# KiCad board board.kicad_pcb (continued)
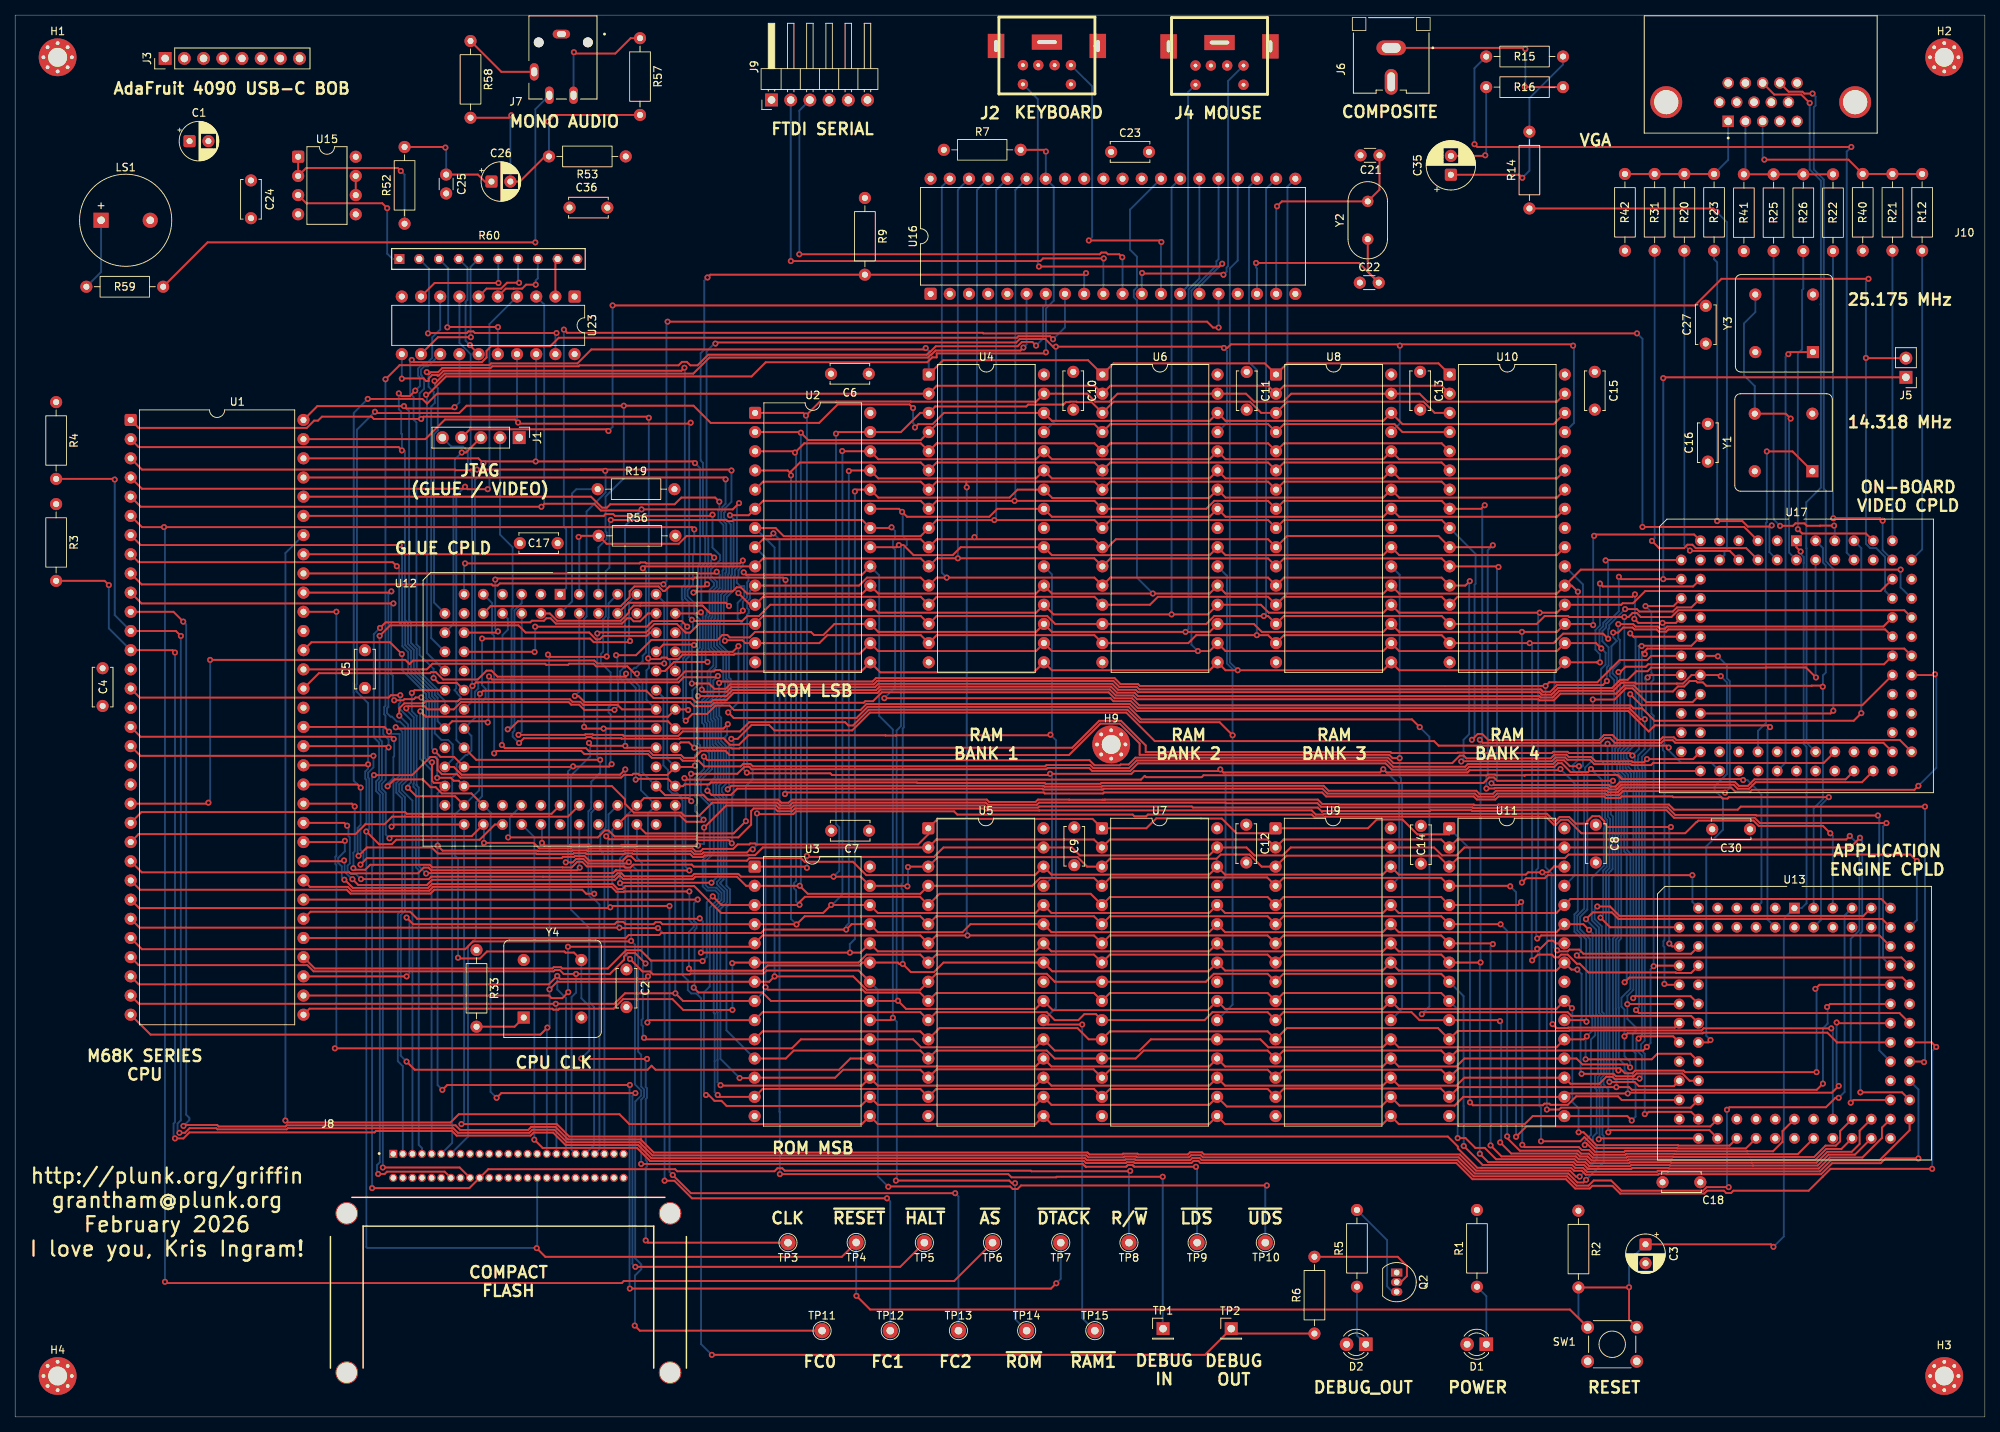
[diagram p0: board, top side]
## Routing (per net, layer and track width the routed paths; a pad name or vN(x,y) marks a point on that pad's centre or on a via; arc(x,y) is an arc through that point) (continued)
A19: length 439.8
  Top w0.25: v1(62.03,75.99) 68.6,75.99 69.33,75.26 73.49,75.26 73.6,75.38 75.8,75.38 75.91,75.26 80.3,75.26 80.39,75.35 81.97,75.35 82.06,75.26 89.63,75.26 90.03,74.87 90.67,74.87 91,75.19 94.99,75.19 95.59,75.79 97.13,75.79 97.25,75.92 97.9,75.92 98.02,75.79 119.48,75.79 120.81,77.12 U5.1 122.06,79.17 142.54,79.17 U7.1 149.66,77.93 150.97,79.24 156.87,79.24 156.89,79.21 159.64,79.21 161.59,77.27 166.1,77.27 U9.1 178.98,77.93 180.14,79.08 183.55,79.08 185.51,77.12 189.72,77.12 189.73,77.12 U11.1 ; v1(49.53,76.6) 49.81,76.88 60.4,76.88 U12.35 ; U1.47 49.24,88.8 v1(49.41,88.63) ; U13.30 212.55,41.96 212.07,42.44 206.53,42.44 205.41,41.31 203.12,41.31 202.97,41.47 202.33,41.47 202.12,41.25 192.86,41.25 v1(192.48,41.64) ; v1(49,137.37) 50.87,139.23 56.36,139.23 56.38,139.25 62.76,139.25 62.98,139.47 74.38,139.47 76.23,141.31 120.28,141.31 v1(120.47,141.5) ; U4.1 122.76,139.89 141.95,139.89 U6.1 145.32,139.47 165.34,139.47 U8.1 168.29,139.47 188.31,139.47 U10.1
  Bottom w0.25: U4.1 120.87,141.1 v1(120.47,141.5) ; v1(49.53,76.6) 49.03,77.09 49.03,82.64 48.5,83.17 48.5,83.81 49.03,84.33 49.03,88.25 v1(49.41,88.63) 49.41,89.69 48.7,90.39 48.7,91.04 49,91.34 49,92.84 48.82,93.01 48.82,93.97 49,94.14 v1(49,137.37) ; U11.1 192.48,75.18 v1(192.48,41.64) ; v1(62.03,75.99) 62.03,78.34
A20: length 282.7
  Top w0.25: U1.48 48.85,91.34 v1(49.47,90.72) ; v1(59.05,38.77) 71.65,38.77 73.3,37.11 189.56,37.11 190.88,35.79 190.88,35.54 193.44,32.98 194,32.98 194,32.98 205.86,32.98 206.25,32.59 207.27,32.59 207.79,32.07 217.36,32.07 217.49,32.2 218.42,32.2 218.49,32.12 238.93,32.12 240.39,33.59 246.81,33.59 247.44,34.22 v1(251.8,34.22) ; U12.33 50.09,78.43 v1(49.8,78.14)
  Bottom w0.25: U12.33 59.4,39.12 v1(59.05,38.77) ; v1(49.47,90.72) 49.77,90.42 50.86,90.42 50.86,84.88 50.05,84.07 50.05,78.39 v1(49.8,78.14) ; U13.58 251.8,43.34 v1(251.8,34.22)
A21: length 240.4
  Top w0.25: v1(210.93,44.34) 210.93,44.34 214.26,44.34 214.81,43.79 219.45,43.79 U13.28 ; v1(82.1,84.37) 82.2,84.47 86.38,84.47 U12.56 88.35,83.5 88.58,83.74 91.82,83.74 92.07,83.99 119.3,83.99 119.37,83.92 136.21,83.92 136.32,83.81 143.61,83.81 143.72,83.92 194.26,83.92 195,84.66 195.64,84.66 196.08,84.21 211.39,84.21 v1(211.39,84.22) ; U1.50 40.19,98.46 54.91,98.46 55.05,98.59 55.65,98.59 56.62,97.63 61.21,97.63 62.38,98.79 63.02,98.79 63.81,98 80.74,98 80.82,98.08 v1(80.82,98.39)
  Bottom w0.25: v1(82.1,84.37) 82.1,96.51 80.82,97.79 v1(80.82,98.39) ; v1(211.39,84.22) 211.1,83.93 211.1,79.77 211.39,79.48 211.39,77.46 211.35,77.42 211.35,72.52 210.85,72.03 210.85,63.31 210.85,63.31 210.93,63.24 v1(210.93,44.34)
A22: length 266.9
  Top w0.25: v1(252.55,46.97) 252.48,47.04 U13.60 ; U1.51 54.47,98.96 55.22,99.71 70.12,99.71 70.27,99.56 73.16,99.56 73.3,99.71 76.52,99.71 76.87,99.36 81,99.36 81.97,98.39 v1(82.27,98.39) ; 84.8,83.5 86,82.31 91.08,82.31 91.66,81.72 100.96,81.72 101.37,81.31 102.33,81.31 102.74,81.72 128.55,81.72 128.86,81.41 135.01,81.41 135.32,81.72 139.45,81.72 139.46,81.7 143.85,81.7 144.16,81.7 144.18,81.72 172.36,81.72 172.94,81.14 175.06,81.14 175.14,81.07 192.98,81.07 193.08,80.97 196.13,80.97 196.23,81.07 218.79,81.07 219.47,80.39 227.9,80.39 228.3,80.79 v1(252.68,80.79)
  Bottom w0.25: v1(252.68,80.79) 252.68,47.09 v1(252.55,46.97) ; v1(82.27,98.39) 82.27,98.02 83,97.29 83,85.31 84.8,83.5
A23: length 261.6
  Top w0.25: U1.52 39.2,102.55 49.59,102.55 v1(51.16,100.99) ; v1(55.84,84.61) 57.64,84.61 58.03,84.22 58.69,84.22 U12.31 78.95,83.5 80.68,81.77 80.68,81.18 81.86,80 88.11,80 88.55,79.56 90.49,79.56 92.24,81.32 100.83,81.32 101.22,80.93 102.48,80.93 102.87,81.32 128.42,81.32 128.71,81.03 135.17,81.03 135.45,81.32 160.13,81.32 160.21,81.24 172.31,81.24 172.78,80.77 174.46,80.77 174.53,80.69 192.83,80.69 192.92,80.59 196.29,80.59 196.39,80.69 218.64,80.69 219.64,79.69 230.29,79.69 230.36,79.62 v1(246.45,79.62)
  Bottom w0.25: v1(55.84,84.61) 55.84,87.28 55.73,87.38 54.59,87.38 54.59,92.55 54.76,92.73 54.76,94.74 54.39,95.12 54.39,95.68 51.22,98.84 51.22,100.92 v1(51.16,100.99) ; v1(246.45,79.62) 246.62,79.44 246.62,48.52 U13.61
AUDIO0: length 4.7
  Top w0.25: U23.2 71.48,153
AUDIO1: length 9.2
  Top w0.25: U23.5 64.91,149.37 65.96,149.37 65.96,149.37 67.08,149.37 67.6,149.89 v1(68.88,149.89)
  Bottom w0.25: R60.8 69.16,150.72 68.88,150.44 v1(68.88,149.89)
AUDIO2: length 9.3
  Top w0.25: U23.6 62.37,149.37 64.3,149.37 65.07,150.14 v1(66.68,150.14)
  Bottom w0.25: R60.7 66.54,150.28 v1(66.68,150.14)
AUDIO3: length 14.2
  Top w0.25: U23.9 55.5,150.12 v1(63.95,150.12)
  Bottom w0.25: R60.6 63.93,150.14 v1(63.95,150.12)
AUDIO4: length 18.3
  Top w0.25: U23.12 55.94,142.93 v1(60.29,142.93)
  Bottom w0.25: R60.5 60.26,152.24 60.26,142.96 v1(60.29,142.93)
AUDIO5: length 13.9
  Top w0.25: U23.15 60.17,141.84 v1(60.17,141.89)
  Bottom w0.25: v1(60.17,141.89) 59.6,142.46 59.6,147.65 59.83,147.88 59.83,152.15 R60.4
AUDIO6: length 19.9
  Top w0.25: v1(63.88,144.27) 63.85,144.29 57.23,144.29 v1(57.18,144.24)
  Bottom w0.25: v1(57.18,144.24) 57.3,144.36 57.3,152.07 R60.3 ; v1(63.88,144.27) 63.86,144.25 U23.16
AUDIO7: length 30.5
  Top w0.25: v1(71.62,143.49) 60.83,143.49 60.61,143.71 59.97,143.71 59.76,143.49 54.68,143.49 v1(54.62,143.44)
  Bottom w0.25: v1(71.62,143.49) 71.48,143.34 U23.19 ; R60.2 54.75,152 54.75,143.57 v1(54.62,143.44)
AUDIO_LE: length 82.7
  Top w0.25: v1(88.55,138.89) 88.15,138.49 56.69,138.49 56.06,137.86 55.91,137.86 55.89,137.84 55.81,137.92 55.17,137.92 54.71,137.47 54.71,137.14 54.38,137.14 54.04,137.48 51.2,137.48 v1(51.16,137.44)
  Bottom w0.25: U12.68 87.34,99.92 88.3,100.89 88.3,104.22 88.15,104.38 88.15,104.94 88.3,105.09 88.3,108.18 88.21,108.27 88.21,109.76 88.6,110.15 88.6,138.84 v1(88.55,138.89) ; U23.11 v1(51.16,137.44)
CPST_CLK_ENB: length 47.4
  Top w0.25: Y1.1 235.15,127.81 v1(231.75,127.81)
  Bottom w0.25: v1(231.75,127.81) 231.75,118.46 231.62,118.34 231.62,91.86 230.58,90.82 U17.40
CPST_PIXEL: length 117.6
  Top w0.25: v1(193.07,168.49) 193.45,168.12 v1(242.93,168.12)
  Bottom w0.25: R15.1 193.07,178.55 v1(193.07,168.49) ; U17.80 242.32,114.41 242.32,167.51 v1(242.93,168.12)
D0: length 462.4
  Top w0.25: U13.18 218.31,57.2 v1(218.2,57.31) ; U2.11 98.95,108.57 119.82,108.57 U4.13 121.93,108.57 142.79,108.57 U6.13 150.13,107.52 151.19,108.57 165.76,108.57 U8.13 167.87,108.57 188.74,108.57 U10.13 190.84,108.57 213.98,108.57 v1(214.3,108.89) ; U1.5 16.62,120.49 v1(69.62,120.49) 70.02,120.89 76.6,120.89 77.5,119.99 82.73,119.99 v1(82.88,120.14) 94.95,120.14 v1(95.78,120.97) ; 84.8,88.59 80.98,88.59 v1(80.72,88.84) 76.2,88.84 75.93,89.12 v1(75.93,89.22) ; v1(214.22,105.65) 214.76,105.11 v1(217.95,105.11) 219.71,105.11 U17.18 ; 97.23,107.52 v1(95.69,109.05)
  Bottom w0.25: v1(214.3,108.89) 214.3,105.72 v1(214.22,105.65) ; U23.3 69.99,147.26 69.99,120.86 v1(69.62,120.49) ; U8.13 168.32,109.02 168.32,162.86 U16.21 ; v1(95.69,109.05) 95.1,109.65 95.1,111.24 95.22,111.37 95.22,112.14 95.5,112.42 95.5,120.69 v1(95.78,120.97) ; v1(80.72,88.84) 80.68,88.88 80.68,97.12 80.05,97.76 80.05,98.72 80.5,99.17 80.68,99.17 80.68,117.95 v1(82.88,120.14) ; v1(218.2,57.31) 218.2,62.22 218.07,62.34 218.07,62.99 218.2,63.11 218.2,88.08 217.99,88.28 217.99,88.93 218.2,89.13 218.2,104.86 v1(217.95,105.11) ; J8.21 76.6,36 76.6,54.27 75.96,54.91 75.96,64.73 73.53,67.17 73.53,84.89 76.07,87.44 76.07,89.06 v1(75.93,89.22)
D1: length 527.6
  Top w0.25: v1(212.94,57.54) 213.56,58.16 249.68,58.16 U13.68 ; v1(62.53,122.81) 59.85,122.81 v1(59.53,123.14) 59.26,122.87 16.78,122.87 U1.4 ; U17.68 249.94,106.79 220.03,106.79 219.13,105.89 215.08,105.89 214.54,106.42 213.98,106.42 213.45,105.89 v1(212.9,105.89) 205.6,105.89 205.47,106.03 202.36,106.03 201.31,104.98 U10.14 188.74,106.03 167.87,106.03 U8.14 165.76,106.03 v1(165.2,106.03) 158.65,106.03 157.6,104.98 U6.14 137.6,104.98 136.55,106.03 121.93,106.03 U4.14 119.82,106.03 98.95,106.03 U2.12 90.46,104.98 89.3,103.82 88.71,103.82 87.55,104.98 84.59,104.98 83.48,103.87 77.18,103.87 v1(77.03,103.72) ; v1(77.4,86.99) 61,86.99 U12.27
  Bottom w0.25: U12.27 58.38,89.61 58.38,94.62 59,95.24 58.44,95.81 58.44,95.9 58.12,96.22 58.36,96.45 58.36,121.98 v1(59.53,123.14) ; v1(212.94,57.54) 213.21,57.81 213.21,74.54 212.9,74.85 212.9,82.92 213.41,83.43 213.41,85 212.69,85.72 212.69,86.67 212.43,86.92 212.43,88.19 212.9,88.66 v1(212.9,105.89) ; v1(77.03,103.72) 77.03,87.37 v1(77.4,86.99) 77.4,85.27 76.22,84.09 76.22,81.37 76.22,81.36 76.22,80.57 76.22,80.56 76.22,80.54 75.84,80.16 75.84,69.5 75.96,69.37 75.96,68.98 76.34,68.6 76.6,68.6 76.6,68.54 77.3,67.84 77.3,35.43 J8.22 ; U16.22 165.5,162.58 165.5,106.33 v1(165.2,106.03) ; U23.4 62.75,144.67 62.75,123.04 v1(62.53,122.81)
D2: length 497.3
  Top w0.25: 74.85,125.41 94.65,125.41 v1(94.78,125.29) ; 74.85,125.41 v1(61.1,125.41) 60.26,125.41 60.18,125.34 58.27,125.34 58.19,125.41 16.78,125.41 U1.3 ; 74.85,125.41 77.9,125.41 v1(78.07,125.24) ; v1(200.7,60.44) 201.46,61.2 203.31,61.2 203.67,60.84 204.18,60.84 204.53,61.2 205.41,61.2 206.61,59.99 207,59.99 208.15,58.84 219.7,58.84 219.77,58.78 221.74,58.78 U13.17 ; U17.17 221.77,107.17 219.87,107.17 219.32,106.62 214.88,106.62 214.56,106.94 v1(213,106.94) ; 84.8,91.12 v1(77.85,91.12) 75.49,91.12 v1(75.28,91.34) ; v1(210.76,103.02) 210.09,103.69 204.8,103.69 203.54,102.44 v1(200.38,102.44) U10.15 188.74,103.49 167.87,103.49 U8.15 165.76,103.49 v1(164.27,103.49) 156.26,103.49 155.21,102.44 U6.15 142.79,103.49 121.93,103.49 U4.15 119.82,103.49 107.45,103.49 106.4,102.44 96.6,102.44 96.22,102.81 93.97,102.81 v1(93.9,102.74)
  Bottom w0.25: v1(200.7,60.44) 200.65,60.49 200.65,71.35 200.7,71.41 200.7,102.11 v1(200.38,102.44) ; v1(210.76,103.02) 210.76,104.27 210.89,104.39 210.89,104.83 v1(213,106.94) ; J8.23 77.96,74.45 77.43,74.99 77.43,77.31 78.14,78.03 78.14,90.83 v1(77.85,91.12) ; U16.23 163.24,162.86 163.24,139.64 164.27,138.6 v1(164.27,103.49) ; v1(61.1,125.41) 60.27,126.25 60.27,140.7 58.78,142.18 U23.7 ; v1(78.07,125.24) 78.12,125.19 78.12,122.38 75.6,119.86 75.6,105.97 75.28,105.64 v1(75.28,91.34) ; v1(94.78,125.29) 94.78,121.14 93.95,120.31 93.95,119.84 93.79,119.69 93.79,119.04 94.67,118.17 94.67,112.66 94.47,112.45 94.47,111.68 94.34,111.55 94.34,109.26 93.76,108.68 93.76,102.88 v1(93.9,102.74)
D3: length 478.1
  Top w0.25: v1(209.68,99.89) 209.23,99.89 209.22,99.9 205.03,99.9 203.98,98.84 183.11,98.84 U8.17 181,98.84 v1(161.75,98.84) 160.14,98.84 U6.17 158.03,98.84 137.17,98.84 U4.17 134.78,98.56 114.47,98.56 U2.15 111.94,98.69 93.47,98.69 93.3,98.87 92.65,98.87 92.48,98.69 88.65,98.69 87.58,97.62 63.1,97.62 v1(62.7,98.02) ; v1(50.76,135.49) 51.11,135.14 52.21,135.14 v1(52.94,135.87) ; v1(209.68,110.31) 210.05,109.94 222,109.94 U17.15 ; v1(62.53,91.94) 62.38,92.09 57.82,92.09 56.86,91.12 50.52,91.12 v1(50.35,91.29) ; v1(51.18,127.95) 50.74,128.39 16.34,128.39 U1.2 ; U13.15 221.74,61.32 207.48,61.32 206.93,61.87 205.64,61.87 205.41,61.63 204.14,61.63 v1(204.01,61.77)
  Bottom w0.25: v1(204.01,61.77) 203.65,62.12 203.65,98.52 205.03,99.9 ; 51.18,130.09 51.07,130.19 51.07,133.08 50.76,133.4 v1(50.76,135.49) ; 51.18,130.09 51.18,130.14 ; 51.18,130.09 v1(51.18,127.95) ; U16.24 161.75,153.09 160.7,152.04 160.7,99.89 v1(161.75,98.84) ; 51.57,127.88 51.57,105.51 51.75,105.34 51.75,105.33 51.99,105.1 51.99,102.32 52.75,101.55 52.75,98.92 55.52,96.15 55.52,95.59 55.9,95.21 55.9,92.09 56.86,91.12 ; v1(62.7,98.02) 62.62,97.95 62.62,92.04 v1(62.53,91.94) ; v1(209.68,99.89) 209.68,100.96 209.07,101.57 209.07,104.17 209.68,104.78 v1(209.68,110.31) ; v1(50.35,91.29) 50.64,91.29 51.24,90.69 51.24,84.72 50.43,83.91 50.43,82.65 51.2,81.88 51.2,67.14 50.64,66.58 50.64,47.1 51.29,46.44 J8.02 ; v1(52.94,135.87) 53.55,136.48 53.55,137.48 53.42,137.61 53.42,137.72 53.31,137.83 53.31,138.79 53.98,139.46 54.46,139.46 55.19,140.19 55.19,142.91 56.24,143.96 U23.8
D4: length 480.6
  Top w0.25: v1(50.83,92.83) 50.83,93.81 51.48,94.46 54.04,94.46 54.32,94.74 58.58,94.74 58.84,95.01 73.39,95.01 73.73,94.67 74.77,94.67 75.18,94.25 79.7,94.25 80.29,93.67 84.8,93.67 ; v1(83.84,132.27) 83.68,132.42 54.03,132.42 v1(53.72,132.12) 47.45,132.12 47.15,132.42 40.59,132.42 40.07,131.89 39.55,131.89 38.59,130.93 16.34,130.93 U1.1 ; v1(210.43,113.39) 210.48,113.45 U17.12 ; U13.12 211.02,64.82 v1(209.75,66.09) ; v1(83.75,100.41) 83.85,100.32 85.36,100.32 85.55,100.52 86.2,100.52 86.39,100.32 87.74,100.32 88.33,100.91 95.1,100.91 95.23,101.04 111.74,101.04 113.14,102.44 114.19,101.38 135.06,101.38 U4.18 137.17,101.38 v1(156.48,101.38) 158.03,101.38 U6.18 160.14,101.38 181,101.38 U8.18 183.11,101.38 203.98,101.38 205.03,102.44 209.15,102.44 v1(209.85,101.74)
  Bottom w0.25: v1(156.48,101.38) 155.62,102.24 155.62,149.11 156.3,149.79 156.3,149.8 158.93,152.42 158.93,152.99 159.21,153.28 U16.25 ; v1(53.72,132.12) 53.51,132.33 53.51,135.5 54.1,136.1 54.1,137.46 53.8,137.76 53.8,137.87 53.68,137.99 53.68,138.63 54.14,139.09 54.63,139.09 U23.13 ; 84.8,93.67 83.53,94.94 83.53,98.83 83.88,99.18 83.88,100.29 v1(83.75,100.41) 83.84,100.5 v1(83.84,132.27) ; v1(209.75,66.09) 210.1,66.44 210.1,72.34 210.56,72.8 210.56,77.7 210.63,77.77 210.63,79.02 210.35,79.3 210.35,86.34 209.81,86.88 209.81,98.98 210.43,99.6 210.43,101.16 v1(209.85,101.74) 209.61,101.98 209.61,104.18 210.11,104.68 210.11,105.12 210.75,105.76 210.75,113.06 v1(210.43,113.39) ; J8.03 52.56,81.58 51.18,82.96 51.18,83.6 51.99,84.41 51.99,91.66 v1(50.83,92.83)
D5: length 449.8
  Top w0.25: v1(58.14,133.67) 57.97,133.5 51.75,133.5 v1(51.44,133.81) 39.99,133.81 U1.64 ; v1(51.75,93.8) 52.03,94.09 54.16,94.09 54.58,93.67 58.04,93.67 59,94.63 73.23,94.63 73.57,94.29 74.61,94.29 75.3,93.6 v1(79.29,93.6) ; v1(208.9,116.64) 209.07,116.81 222.13,116.81 U17.11 ; v1(79.51,100.84) 82.15,100.84 84.17,102.86 92.92,102.86 93.58,103.52 94.22,103.52 94.55,103.19 97.17,103.19 97.9,103.92 105.28,103.92 105.69,103.51 106.94,103.51 108.4,104.98 U2.17 114.19,103.92 135.06,103.92 U4.19 137.17,103.92 v1(154.85,103.92) 158.03,103.92 U6.19 163.88,104.98 164.94,103.92 181,103.92 U8.19 183.11,103.92 v1(199.35,103.92) 203.98,103.92 205.03,104.98 208.62,104.98 v1(208.77,104.81) ; v1(199.35,70.74) 199.93,71.32 202.37,71.32 202.77,71.72 v1(221.9,71.72)
  Bottom w0.25: v1(208.77,104.81) 208.77,116.52 v1(208.9,116.64) ; v1(51.44,133.81) 52.12,133.13 52.12,105.49 52.36,105.25 52.36,102.48 53.13,101.71 53.13,99.07 55.9,96.31 55.9,95.74 56.86,94.78 56.86,93.67 ; J8.04 53.83,35.57 53.4,36.01 53.4,72.38 53.02,72.76 53.02,83.08 52.7,83.41 52.7,83.8 52.75,83.85 52.75,92.62 51.75,93.62 v1(51.75,93.8) ; v1(221.9,71.72) 221.9,68.17 U13.11 ; v1(154.85,103.92) 155.25,104.32 155.25,149.27 155.92,149.94 155.92,149.95 156.68,150.71 U16.26 ; v1(58.14,133.67) 58.78,134.31 U23.14 ; v1(79.51,100.84) 79.67,100.67 79.67,97.6 79.78,97.5 79.78,94.08 v1(79.29,93.6) ; v1(199.35,70.74) v1(199.35,103.92)
D6: length 510.3
  Top w0.25: v1(53.61,93.41) 54.32,92.7 86.38,92.7 87.34,93.67 88.96,93.67 v1(89.04,93.58) ; U1.63 54.27,129.44 56.87,132.04 66.14,132.04 v1(66.54,131.64) 66.69,131.49 89.25,131.49 v1(89.38,131.62) ; U17.73 246.79,109.33 215.66,109.33 214.04,107.71 212.68,107.71 212.48,107.52 205.03,107.52 203.98,106.46 v1(201.7,106.46) 183.11,106.46 U8.20 181,106.46 165.86,106.46 164.81,107.52 U6.20 157.81,106.24 v1(153,106.24) 137.39,106.24 U4.20 135.06,106.46 114.19,106.46 U2.18 99.91,107.52 98.42,106.03 96.86,106.03 96.21,105.38 89.68,105.38 v1(89.53,105.53) ; v1(201.38,63.34) 201.5,63.34 201.9,63.74 246.65,63.74 U13.73
  Bottom w0.25: v1(53.61,93.41) 53.58,93.37 53.58,87.13 55.1,85.61 J8.05 ; U16.27 153,162.78 v1(153,106.24) ; U23.17 66.4,131.78 v1(66.54,131.64) ; v1(201.7,106.46) 201.5,106.26 201.5,72.64 201.25,72.39 201.25,63.59 201.38,63.47 v1(201.38,63.34) ; v1(89.04,93.58) 88.76,93.87 88.76,100.27 89.13,100.64 89.13,103.65 89.68,104.2 89.68,105.38 v1(89.53,105.53) 89.18,105.88 89.18,107.84 88.59,108.42 88.59,109.61 89.18,110.19 89.18,131.42 v1(89.38,131.62)
D7: length 503.2
  Top w0.25: 205.03,110.06 207.14,112.17 v1(249.45,112.17) ; 205.03,110.06 203.96,108.99 183.12,108.99 U8.21 181,109 160.14,109 U6.21 158.03,109 v1(150.53,109) 137.17,109 U4.21 135.06,109 114.19,109 U2.19 112.09,109 96.84,109 96.01,109.83 95.46,109.83 94.91,109.28 89.89,109.28 v1(89.74,109.13) ; 205.03,110.06 205.94,110.06 v1(206.75,109.24) ; v1(89.95,126.27) 89.72,126.49 v1(68.88,126.49) 62.2,126.49 v1(61.95,126.24) 61.29,126.9 U1.62 ; U13.70 249.57,60.81 206.89,60.81 v1(206.61,61.09)
  Bottom w0.25: U17.70 249.45,109.82 v1(249.45,112.17) ; v1(206.75,109.24) 206.75,86.94 206.07,86.26 206.07,85.75 206.75,85.07 206.75,66.98 206.29,66.52 206.29,64.25 207.18,63.37 207.18,61.66 v1(206.61,61.09) ; J8.06 57.82,36.27 57.82,84.63 58.4,85.21 58.4,86.41 59.61,87.62 59.8,87.62 60.36,88.19 60.36,90.16 U12.25 60.83,92.55 60.83,95.99 61.28,96.44 61.28,97.08 60.83,97.53 60.83,124.05 61.95,125.17 v1(61.95,126.24) ; v1(89.74,109.13) 90.34,109.73 90.34,112.63 90.62,112.92 90.62,125.59 v1(89.95,126.27) ; v1(68.88,126.49) 68.94,126.56 U23.18 ; v1(150.53,109) 148.42,111.11 148.42,147.82 148,148.24 148,149.11 148.42,149.53 148.42,153.6 147.5,154.52 147.5,159.82 U16.28
D8: length 327.7
  Top w0.25: v1(215.7,107.34) 219.4,107.34 U17.16 ; v1(216.78,59.67) 216.85,59.74 U13.16 ; v1(215.87,48.98) 215.39,48.5 190.78,48.5 U11.13 188.68,48.5 167.81,48.5 U9.13 165.7,48.5 149.31,48.5 148.25,47.45 U7.13 137.54,47.45 136.49,48.5 121.87,48.5 U5.13 119.76,48.5 103.01,48.5 101.96,47.45 97.84,47.45 ; v1(94,124.12) 93.75,124.36 U1.61
  Bottom w0.25: v1(215.87,48.98) 216.38,49.49 216.38,59.26 v1(216.78,59.67) 216.78,92.81 216.48,93.12 216.48,97.29 216.75,97.57 216.75,98.21 216.48,98.49 216.48,106.56 v1(215.7,107.34) ; 97.84,47.45 94.11,51.18 94.11,67.49 94.58,67.97 94.58,69.86 94.11,70.33 94.11,82.15 93.5,82.76 93.5,83.25 94.1,83.85 94.1,88.78 93.41,89.47 93.41,92.56 93.15,92.82 93.15,93.94 94.67,95.46 94.67,97.66 94.45,97.88 94.45,101.1 93.23,102.32 93.23,105.26 93.39,105.42 93.39,108.83 93.97,109.42 93.97,111.71 94.09,111.83 94.09,118.22 93.42,118.89 93.42,119.84 93.57,120 93.57,120.47 94,120.89 v1(94,124.12)
D9: length 404
  Top w0.25: U3.12 108.49,44.91 109.54,45.96 119.76,45.96 U5.14 121.92,46.02 142.68,46.02 U7.14 144.84,45.96 165.7,45.96 U9.14 167.81,45.96 188.68,45.96 U11.14 190.96,46.14 212.33,46.14 ; v1(238.32,45.64) 220.92,45.64 220.72,45.84 214.33,45.84 213.98,45.49 212.98,45.49 212.33,46.14 ; 212.33,46.14 212.33,46.08 v1(212.11,45.87) ; v1(238.18,56.67) 238.71,57.2 U13.69 ; U17.69 247.17,104.63 218.56,104.63 218.27,104.34 217.63,104.34 217.34,104.63 214.4,104.63 214.08,104.95 v1(212.1,104.95) ; U1.60 76.2,121.82 77.65,120.37 78.29,120.37 78.74,120.81 87.25,120.81 88.14,121.7 92.62,121.7 v1(93.17,121.16) ; v1(95.85,44.87) 97.8,44.87
  Bottom w0.25: v1(238.18,56.67) 238.32,56.52 v1(238.32,45.64) ; v1(93.17,121.16) 93.17,120.13 93.04,120 93.04,118.73 93.71,118.06 93.71,112.15 93.59,112.03 93.59,109.57 93.01,108.99 93.01,105.57 92.85,105.42 92.85,102.17 94.07,100.94 94.07,97.72 94.29,97.5 94.29,95.62 92.77,94.1 92.77,92.66 93.03,92.4 93.03,89.31 93.72,88.63 93.72,84.15 93.12,83.55 93.12,82.6 93.73,81.99 93.73,71.15 93.3,70.72 93.3,70.6 94.2,69.7 94.2,68.12 93.3,67.22 93.3,53.71 93.31,53.71 93.31,47.41 v1(95.85,44.87) ; v1(212.11,45.87) 211.79,46.19 211.79,53.99 211.77,54.01 211.77,63.17 212.1,63.5 212.1,77.11 212.14,77.15 212.14,83.23 212.65,83.74 212.65,84.69 211.93,85.41 211.93,86.35 211.68,86.61 211.68,88.5 211.94,88.76 211.94,97.83 211.35,98.41 211.35,98.92 212.3,99.87 212.3,102.87 212.1,103.07 v1(212.1,104.95)
D10: length 407.8
  Top w0.25: U17.67 247.4,104.25 218.71,104.25 218.43,103.96 217.47,103.96 217.19,104.25 214.24,104.25 214,104.5 212.74,104.5 212.08,103.83 v1(211.42,103.83) ; v1(239.17,44.12) 238.35,43.3 213.89,43.3 213.54,43.65 v1(211.84,43.65) 191.02,43.65 U11.15 188.62,43.47 167.87,43.47 U9.15 165.7,43.42 144.84,43.42 U7.15 142.73,43.42 121.87,43.42 U5.15 119.76,43.42 98.89,43.42 U3.13 93.2,42.37 v1(92.95,42.62) ; U1.59 77.87,119.28 78.1,119.52 79.12,119.52 79.36,119.28 92.1,119.28 v1(92.26,119.44) ; U13.67 240.12,54.66 v1(239.73,54.27)
  Bottom w0.25: v1(211.84,43.65) 211.84,44.52 211.41,44.95 211.41,53.83 211.39,53.85 211.39,63.32 211.73,63.66 211.73,77.11 211.73,77.26 211.77,77.3 211.77,83.38 212.27,83.89 212.27,84.54 211.3,85.51 211.3,88.66 211.56,88.91 211.56,97.54 210.97,98.12 210.97,99.08 211.2,99.3 211.2,102.03 211.9,102.74 211.42,103.21 v1(211.42,103.83) ; v1(92.95,42.62) 92.55,43.01 92.55,47.1 92.55,47.1 92.55,53.4 92.54,53.4 92.43,53.52 92.43,67.41 93.45,68.43 93.45,69.39 92.77,70.06 91.68,70.06 91.35,70.39 91.35,73.55 92.43,74.62 92.43,80.96 90.72,82.66 90.72,84.27 92.2,85.75 92.2,88.01 91.52,88.69 91.52,91.78 91.27,92.03 91.27,94.72 91.99,95.45 91.99,98.52 92.75,99.27 92.75,101.2 92.1,101.85 92.1,105.73 92.26,105.89 92.26,109.3 92.84,109.88 92.84,110.57 92.04,111.37 92.04,112.2 93.25,113.42 93.25,114.09 92.26,115.08 v1(92.26,119.44) ; v1(239.17,44.12) 239.17,51.43 239.8,52.06 239.8,54.19 v1(239.73,54.27)
D11: length 343
  Top w0.25: U17.20 214.11,103.28 v1(213.68,103.72) ; v1(35.76,39.24) 36.02,38.97 57.6,38.97 58.69,40.07 79.95,40.07 81.26,38.77 112.02,38.77 113.08,39.83 114.13,38.77 135,38.77 U5.17 137.11,38.77 157.97,38.77 U7.17 160.08,38.77 180.94,38.77 U9.17 183.05,38.77 199.72,38.77 200.78,39.83 U11.17 213.29,39.83 v1(213.88,39.24) ; v1(213.3,54.64) 213.32,54.66 U13.20
  Bottom w0.25: v1(35.76,39.24) 35.76,114.35 U1.58 ; v1(213.68,103.72) 214.39,103.01 214.39,89.08 213.65,88.34 213.65,88.34 213.19,87.88 213.19,87.23 213.44,86.98 213.44,86.03 214.16,85.32 214.16,83.11 214.09,83.04 214.09,56.53 213.3,55.73 v1(213.3,54.64) 213.3,52.69 214.39,51.6 214.39,51.08 214.01,50.7 214.01,48.52 214.39,48.14 214.39,45.9 214.05,45.56 214.05,44.36 214.39,44.02 214.39,39.75 v1(213.88,39.24)
D12: length 396.7
  Top w0.25: v1(240.99,52.21) 241.08,52.12 U13.65 ; 205.42,42.81 v1(213.35,42.81) 213.46,42.92 240.37,42.92 v1(241.26,43.82) ; U17.65 247.26,99.64 216.06,99.64 215.73,99.31 213.06,99.31 212.35,98.6 v1(212.12,98.6) ; v1(92.48,113.77) 92.04,114.2 U1.57 ; U11.18 193.23,42.37 193.23,42.36 192.37,42.36 192.37,42.37 191.6,42.37 190.45,41.22 183.15,41.22 U9.18 180.72,41.09 160.3,41.09 U7.18 157.97,41.31 137.11,41.31 U5.18 135,41.31 114.13,41.31 U3.16 111.88,41.17 94.12,41.17 93.45,41.84 92.52,41.84 91.75,42.62 v1(91.4,42.62)
  Bottom w0.25: v1(240.99,52.21) 240.99,44.09 v1(241.26,43.82) ; v1(92.48,113.77) 92.08,113.37 92.08,112.78 91.66,112.36 91.66,111.21 92.46,110.42 92.46,110.04 91.88,109.46 91.88,106.04 91.72,105.88 91.72,101.7 92.37,101.04 92.37,99.43 91.62,98.67 91.62,95.61 90.89,94.88 90.89,91.88 91.15,91.62 91.15,88.53 91.82,87.86 91.82,85.9 90.35,84.43 90.35,82.5 91.9,80.95 91.9,74.63 90.97,73.7 90.97,70.24 91.52,69.69 92.62,69.69 93.07,69.23 93.07,68.59 91.9,67.42 91.9,56.98 91.12,56.2 91.12,42.89 v1(91.4,42.62) ; v1(213.35,42.81) 213.35,45.49 212.94,45.9 212.94,46.64 212.17,47.41 212.17,54.14 212.14,54.16 212.14,63.01 212.48,63.35 212.48,76.95 212.52,76.99 212.52,83.07 213.03,83.58 213.03,84.85 212.31,85.57 212.31,86.51 212.06,86.77 212.06,88.34 212.35,88.64 212.35,98.38 v1(212.12,98.6)
D13: length 318.2
  Top w0.25: U17.24 216.29,98.21 v1(215.98,97.89) ; U13.24 219.36,50.38 215.08,50.38 v1(214.79,50.09) ; v1(214.91,44.79) 214.83,44.71 211.64,44.71 211.33,45.02 210.5,45.02 209.59,44.11 205.77,44.11 U11.19 191.74,44.91 190.68,43.85 183.05,43.85 U9.19 180.94,43.85 160.08,43.85 U7.19 157.97,43.85 137.11,43.85 U5.19 135,43.85 114.13,43.85 U3.17 112.03,43.85 93.39,43.85 v1(93.33,43.92) ; v1(92.81,111.88) 92.59,111.66 U1.56
  Bottom w0.25: v1(92.81,111.88) 93.21,111.48 93.21,109.73 92.63,109.15 92.63,105.73 92.47,105.57 92.47,102.01 93.69,100.79 93.69,97.57 93.91,97.34 93.91,95.77 92.4,94.25 92.4,92.5 92.66,92.24 92.66,89.16 93.34,88.47 93.34,84.31 92.74,83.71 92.74,82.44 93.35,81.84 93.35,71.31 92.85,70.81 92.85,70.52 93.83,69.54 93.83,68.28 92.85,67.3 92.85,53.63 92.92,53.56 92.93,53.55 92.93,47.25 92.93,44.31 v1(93.33,43.92) ; v1(215.98,97.89) 215.8,97.89 215.65,97.74 215.65,97.59 215.75,97.49 215.75,93.31 216.38,92.68 216.38,88.53 215.22,87.37 215.22,85.85 215.29,85.79 215.29,82.64 215.22,82.58 215.22,50.53 v1(214.79,50.09) 214.49,49.79 214.49,48.57 215.22,47.84 215.22,45.1 v1(214.91,44.79)
D14: length 368.5
  Top w0.25: U13.63 241.04,49.58 239.75,50.87 223.35,50.87 223.26,50.78 213.32,50.78 v1(212.92,50.38) ; U17.63 244.37,94.21 215.14,94.21 v1(213.68,95.67) ; v1(49.78,109.29) 49.6,109.12 U1.55 ; v1(213.66,46.27) 213.26,46.66 207.36,46.66 206.57,47.45 U11.20 191.74,47.45 190.68,46.39 183.05,46.39 U9.20 180.94,46.39 160.08,46.39 U7.20 157.97,46.39 137.11,46.39 U5.20 135,46.39 114.13,46.39 113.08,47.45 110.5,47.45 109.01,45.96 84.73,45.96 84.2,46.49 83.67,45.96 52.87,45.96 v1(51.79,47.04)
  Bottom w0.25: v1(213.68,95.67) 213.68,88.9 213.28,88.5 213.28,88.5 212.81,88.03 212.81,87.08 213.07,86.82 213.07,85.88 213.78,85.16 213.78,83.27 213.27,82.76 213.27,75.01 213.71,74.57 213.71,56.68 212.52,55.49 212.52,54.32 212.92,53.92 v1(212.92,50.38) 212.92,47.74 213.66,47 v1(213.66,46.27) ; v1(49.78,109.29) 49.38,108.89 49.38,93.99 49.2,93.81 49.2,93.17 49.65,92.72 49.84,92.72 50.51,92.05 50.9,92.05 51.62,91.33 51.62,84.57 50.81,83.76 50.81,82.8 51.57,82.04 51.57,66.98 51.01,66.42 51.01,47.81 v1(51.79,47.04)